# Altium PCB QCopterFC__Pcb.PcbDoc (part 1 of 2)
Units mil, origin at the board's own origin, x right, y up, seen from the top; angles counter-clockwise.
Board outline 2027.56 x 1377.95 mil, 4 copper layers (Top Layer, Mid Layer 1, Mid Layer 2, Bottom Layer), stack 24.2 mil thick; 59 components, 67 nets, 290 pads, 155 vias.
Unrouted connection lines stored in the file: 1.
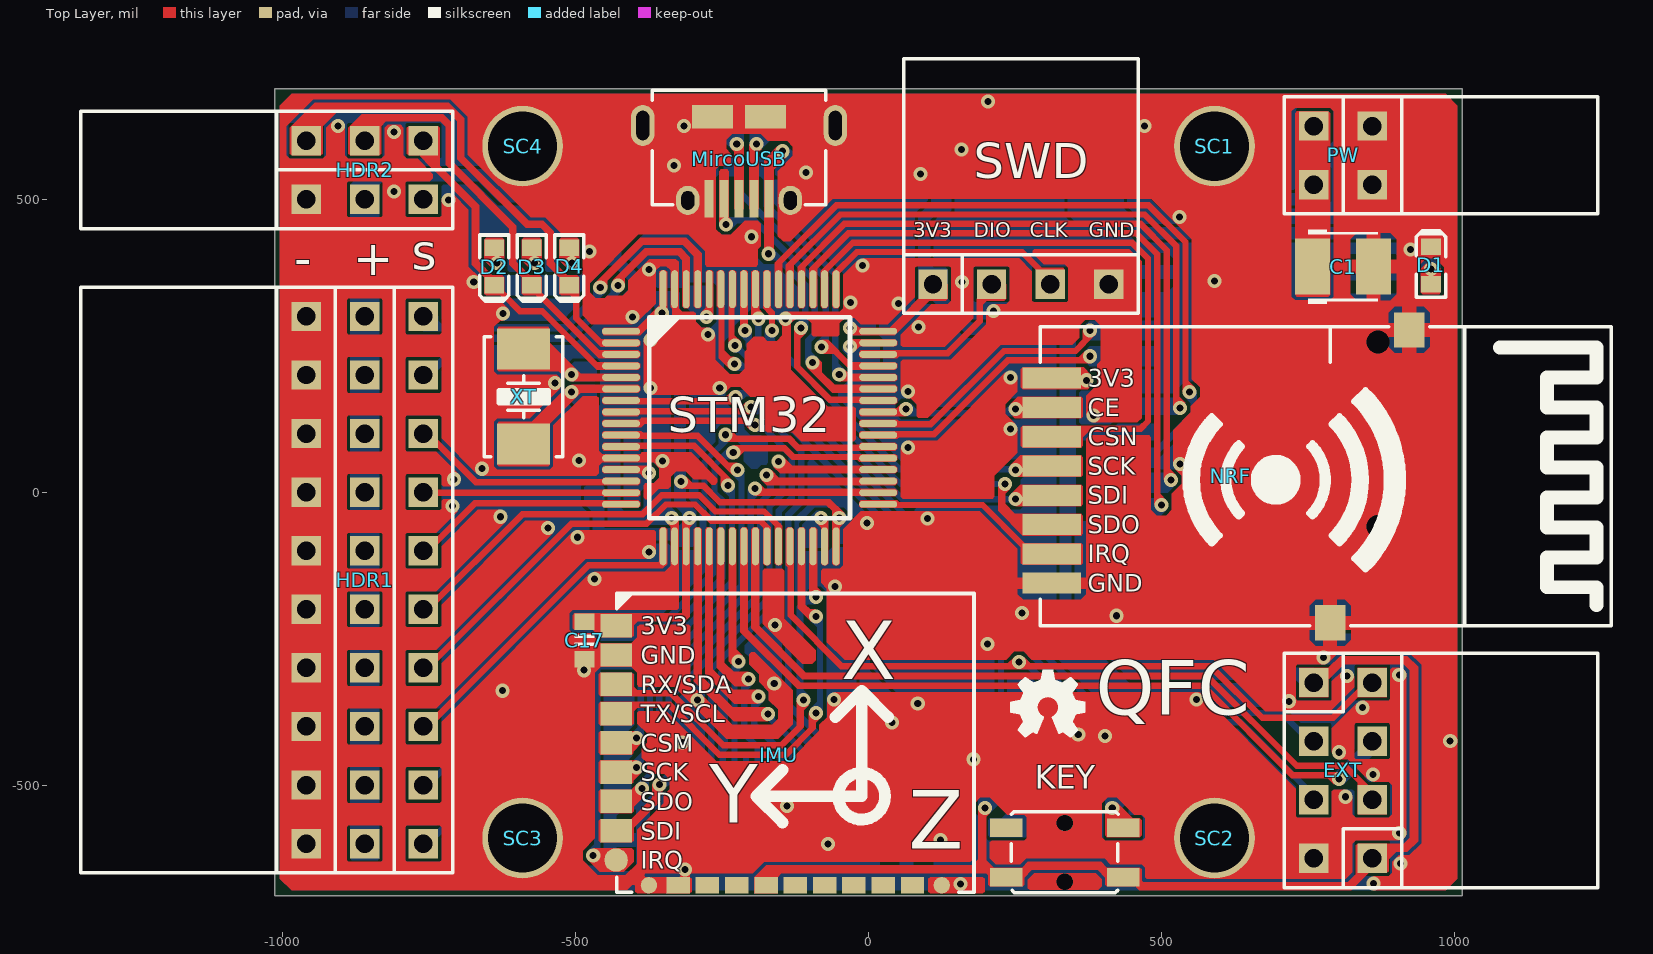
[diagram p0: Top Layer view]
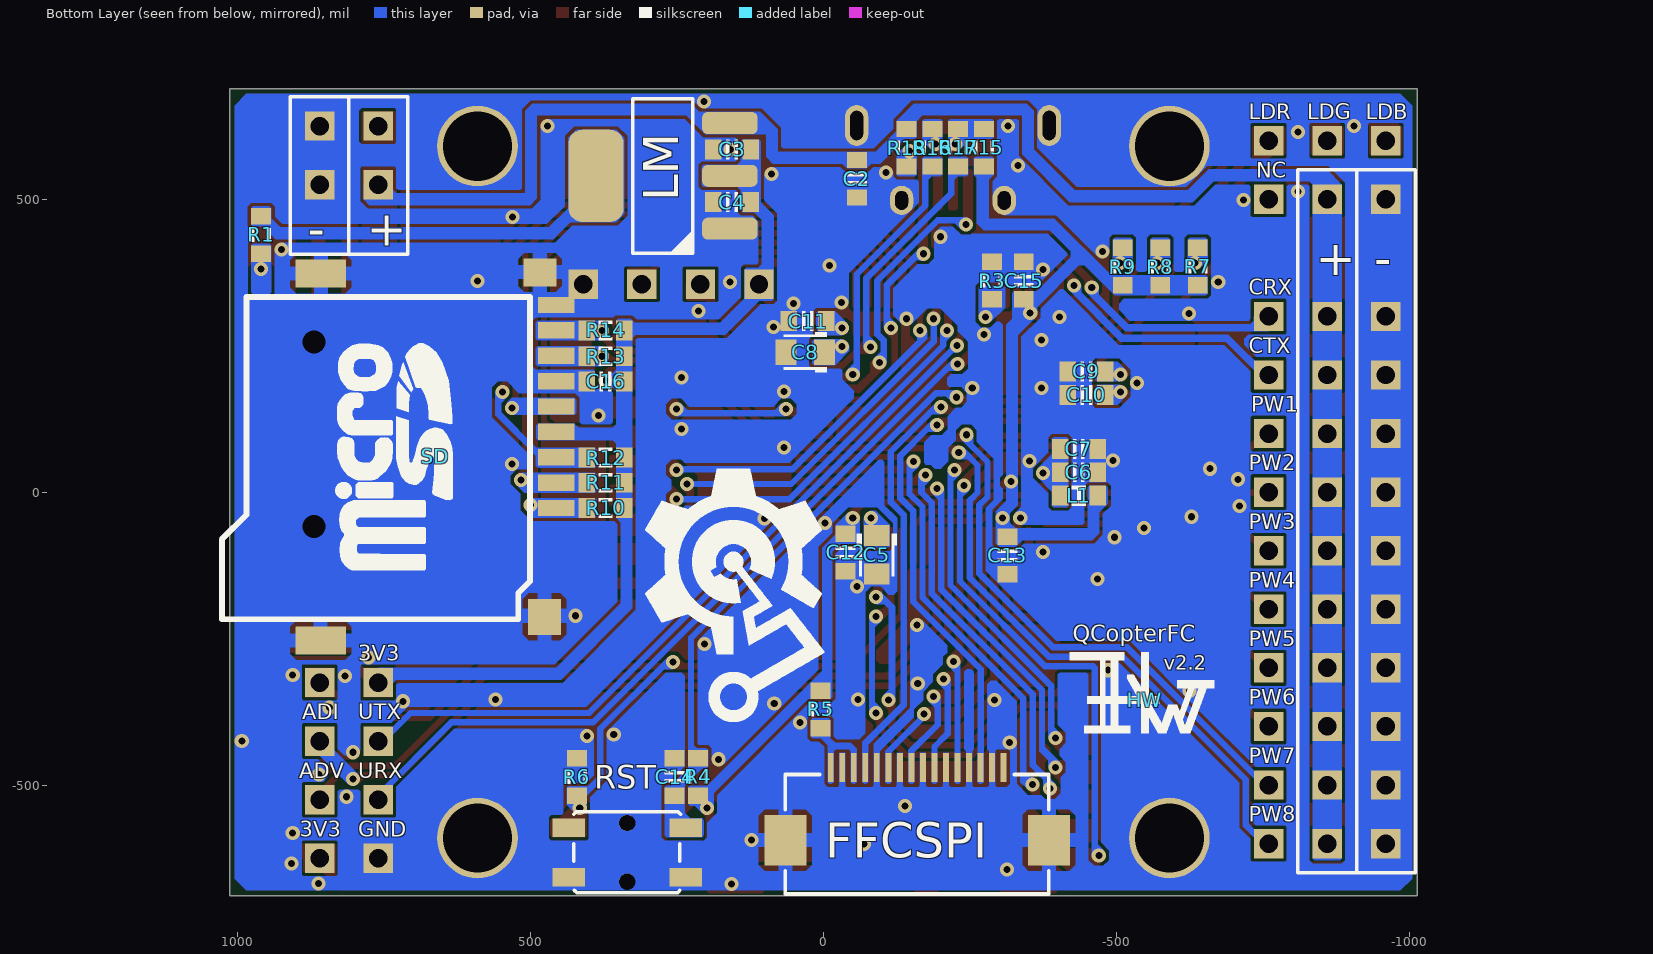
[diagram p1: Bottom Layer view, seen from below]

## Layer stack, top to bottom
Top Solder: solder mask 0.4, Solder Resist, Dk 3.5
Top Layer: signal copper 1.4
Dielectric1: prepreg 5, Dk 4.2
Mid Layer 1: signal copper 0.7
Dielectric 3: core 10, FR-4, Dk 4.2
Mid Layer 2: signal copper 0.7
Dielectric 2: prepreg 5, Dk 4.2
Bottom Layer: signal copper 1.4
Bottom Solder: solder mask 0.4, Solder Resist, Dk 3.5

## Board outline
-1013.78,688.98 1013.78,688.98 1013.78,-688.98 -1013.78,-688.98

## Design rules (kind name [scope] priority, off if disabled: settings)
Clearance Polygon [InPolygon] p1: gap=6
Clearance [All] p2: gap=6
ComponentClearance [All] p1: gap=0 collisioncheckmode=3 verticalgap=0 showdistances=FALSE
HoleSize [All] p1: absolutevalues=TRUE maxlimit=150 minlimit=1 maxpercent=80.000 minpercent=20.000
HoleToHoleClearance [All] p1: gap=0 allowstackedmicrovias=TRUE
MinimumSolderMaskSliver [All] p1: minsoldermaskwidth=0
PlaneConnect [All] p1: planeconnectstyle=Direct reliefexpansion=20 reliefentries=4 reliefconductorwidth=10 reliefairgap=10
PolygonConnect [All] p1: connectstyle=Direct reliefconductorwidth=10 reliefentries=4 polygonreliefangle="90 Angle" airgapwidth=10
RoutingVias [All] p1: holewidth=12 width=24 viastyle="Through Hole" minholewidth=12 minwidth=20 maxholewidth=28 maxwidth=100
SilkToSilkClearance [All] p1: silktosilkclearance=2
SilkToSolderMaskClearance SilkscreenOverComponentPads [IsPad] p1: minsilkscreentomaskgap=2 clearancetoexposedcopper=TRUE
SolderMaskExpansion [All] p1: expansion=0
UnConnectedPin [All] p1:
Width [All] p1: maxlimit=24 minlimit=6 preferedwidth=10
22 further rules are at their usual default settings.

## Classes and differential pairs
component class FFCSPI: FFCSPI R5
component class QCopterFC_MAIN_Sch: HW SC1 SC2 SC3 SC4
component class IMU: C17 IMU Sensor?
component class SWD: JTAG SWD
component class KEY: KEY R6
component class LED: D2 D3 D4 JP3 JP4 JP5 JP6 LED_1 LED_2 LED_B LED_G LED_R LED_W R7 R8 R9
component class NRF: NRF nRF24L01P RF?
component class POWER: C1 C2 C3 C4 D1 LED LM "Power 5V" PW R1
component class PWM: HDR1 HDR2 PWM_G PWM_S PWM_V S
component class STM32F405RG: C5 C6 C7 C8 C9 C10 C11 C12 C13 C14 C15 L1 R3 R4 RST STM32 XT
component class SD: C16 R10 R11 R12 R13 R14 SD
component class EXTERN: EXT
component class USB: 10 MircoUSB R15 R16 R17 R18

## Components (designator, comment, footprint, x,y, rotation, side; value= is the part's Value field where it differs from the comment)
C1 "Cap_Tan_1210" CAP_TAN_B1210 810,385 r0 top locked
C2 "Cap_0603" CAP_0603 -57,535 r90 bottom locked
C3 "Cap_0603" CAP_0603 156,585 r180 bottom locked
C4 "Cap_0603" CAP_0603 156,495 r180 bottom locked
C5 "Cap_Tan_0805" CAP_TAN_P0805 -91,-107 r270 bottom locked
C6 "Cap_0603" CAP_0603 -436,34 r0 bottom locked
C7 "Cap_0603" CAP_0603 -436,74 r0 bottom locked
C8 "Cap_Tan_0805" CAP_TAN_P0805 31,239 r0 bottom locked
C9 "Cap_0603" CAP_0603 -449,206 r180 bottom locked
C10 "Cap_0603" CAP_0603 -449,166 r180 bottom locked
C11 "Cap_0603" CAP_0603 27,292 r0 bottom locked
C12 "Cap_0603" CAP_0603 -38,-103 r270 bottom locked
C13 "Cap_0603" CAP_0603 -314,-108 r270 bottom locked
C14 "Cap_0603" CAP_0603 254,-486 r90 bottom locked
C15 "Cap_0603" CAP_0603 -342,361 r90 bottom locked
C16 "Cap_0603" CAP_0603 372,189 r180 bottom locked
C17 "Cap_0603" CAP_0603 -485,-253 r90 top locked
D1 "LED_0603" LED_0603_WHITE 960,387 r90 top locked
D2 "LED_0603" LED_0603_RED -639,385 r270 top locked
D3 "LED_0603" LED_0603_GREEN -575,385 r270 top locked
D4 "LED_0603" LED_0603_BLUE -511,385 r270 top locked
EXT "HDR2X4_90_2.54" HDR2X4_90_2.54 760,-325 r270 top locked
FFCSPI "FFC_0.5_16" FFC_0.5_16 -160,-534 r180 bottom locked
HDR1 "HDR3X10_90_2.54" HDR3X10_90_2.54 -760,-600 r90 top locked
HDR2 "HDR3X2_90_2.54" HDR3X2_90_2.54 -760,500 r90 top locked
HW "HW" Logo_HW_v2.0 -548.78,-354.98 r180 bottom
IMU "SmartIMU" SMART_IMU -465,-688 r0 top locked
KEY "BT_TACT_3.5*5_90" BT_TACT_3.5*3.55_90 335,-615 r180 top locked
L1 "Ind_0603" IND_0603 -436,-6 r0 bottom locked
LM "LM1117" SOT223 274,540 r90 bottom locked
MircoUSB "USB_Micro" USB_Micro-AB -221,626 r0 top locked
NRF "nRF24L01P_PA_LNA" NRF24L01P_PA_LNA 293,-228 r0 top locked
PW "HDR2X2_90_2.54" HDR2X2_90_2.54 760,625 r270 top locked
R1 "Res_0603" RES_0603 960,439 r90 bottom locked
R3 "Res_0603" RES_0603 -288,361 r270 bottom locked
R4 "Res_0603" RES_0603 214,-486 r270 bottom locked
R5 "Res_0603" RES_0603 5,-371 r270 bottom locked
R6 "Res_0603" RES_0603 421,-486 r270 bottom locked
R7 "Res_0603" RES_0603 -639,385 r90 bottom locked
R8 "Res_0603" RES_0603 -575,385 r90 bottom locked
R9 "Res_0603" RES_0603 -511,385 r90 bottom locked
R10 "Res_0603" RES_0603 372,-27 r180 bottom locked
R11 "Res_0603" RES_0603 372,16 r180 bottom locked
R12 "Res_0603" RES_0603 372,59 r180 bottom locked
R13 "Res_0603" RES_0603 372,232 r180 bottom locked
R14 "Res_0603" RES_0603 372,276 r180 bottom locked
R15 "Res_0603" RES_0603 -274,588 r270 bottom locked
R16 "Res_0603" RES_0603 -186,588 r90 bottom locked
R17 "Res_0603" RES_0603 -230,588 r90 bottom locked
R18 "Res_0603" RES_0603 -142,588 r90 bottom locked
RST "BT_TACT_3.5*5_90" BT_TACT_3.5*3.55_90 335,-615 r0 bottom locked
SC1 "M3" SCRREW_M3 590.55,590.55 r0 top locked
SC2 "M3" SCRREW_M3 590.55,-590.55 r0 top locked
SC3 "M3" SCRREW_M3 -590.55,-590.55 r0 top locked
SC4 "M3" SCRREW_M3 -590.55,590.55 r0 top locked
SD "SD_Card_TF" SD_Card_TF 456,-27 r90 bottom locked
STM32 "STM32F405R" STM32_QFP64 -203,127 r0 top locked
SWD "HDR1X4_90F_2.54" HDR1X4_90F_2.54 110,355 r0 top locked (schematic designator SW)
XT "XTAL_5032_2P" XTAL_5032 -589,163 r90 top locked

## Footprints (in the part's own frame and the unit in brackets; to place one, negate y for a bottom-side part, rotate by r counter-clockwise, add the part's x,y. Pads: shape width x height; smd on the part's side, far side on the other; paste and mask are expansions set on the pad)
BT_TACT_3.5*3.55_90 [mm]
  round 0.7 hole 0.7 mask+0: 0(0,-1.27) 0(0,1.27)
  rect 1.4x0.8 smd: 1(-2.54,1.069) 2(-2.54,-1.069) 3(2.54,1.069) 4(2.54,-1.069)
  silkscreen extent -2.31,-1.75 2.31,1.75, body extent -2.29,-1.39 2.31,2.16, height 1.42
CAP_0603 [mil]
  rect 28x34 smd: 1(-32,0) 2(32,0)
  Top Layer pour cut-out: -18,17 18,17 18,-17 -18,-17
  silkscreen extent -10,-17 10,17, body extent -31,-16 31,16, height 36
CAP_TAN_B1210 [mil]
  rect 60x96 smd: 1(-52,0) 2(52,0)
  Top Layer pour cut-out: -22,48 22,48 22,-48 -22,-48
  silkscreen extent -59,-63 59,63, body extent -69,-55 69,55, height 83
CAP_TAN_P0805 [mil]
  rect 36x44 smd: 1(-33,0) 2(33,0)
  Top Layer pour cut-out: -15,22 15,22 15,-22 -15,-22
  silkscreen extent -36,-34 36,34, body extent -40,-27 40,27, height 59
FFC_0.5_16 [mil] "Connector; FH12 Series; 16 Position; 0.5mm Spaced Bottom Contact"
  rect 72x86 smd mask+1: 0(-225,-60) 0(225,-60)
  rect 10x50 smd mask+1: 1(-147.64,64) 2(-127.95,64) 3(-108.27,64) 4(-88.58,64) 5(-68.9,64) 6(-49.21,64) 7(-29.53,64) 8(-9.84,64) 9(9.84,64) 10(29.53,64) 11(49.21,64) 12(68.9,64) 13(88.58,64) 14(108.27,64) 15(127.95,64) 16(147.64,64)
  silkscreen extent -225,-152 225,52, body extent -266,-155 266,55, height 82
HDR1X4_90F_2.54 [mm] "Connector; Header; 2 Position"
  rect 1.27x1.27 hole 0.8: 1(0,0) 2(2.54,0) 3(5.08,0) 4(7.62,0)
  silkscreen extent -1.27,-1.27 8.89,9.78, body extent -1.39,-0.16 9.02,9.9, height 2.52
HDR2X2_90_2.54 [mm] "Connector; Header; 2x2 Position"
  rect 1.27x1.27 hole 0.8: 1(0,0) 2(0,2.54) 3(2.54,0) 4(2.54,2.54)
  silkscreen extent -1.27,-1.27 3.81,12.32, body extent -1.27,-0.31 3.81,12.57, height 5.04
HDR2X4_90_2.54 [mm] "Connector; Header; 2x2 Position"
  rect 1.27x1.27 hole 0.8: 1(0,0) 2(0,2.54) 3(2.54,0) 4(2.54,2.54) 5(5.08,0) 6(5.08,2.54) 7(7.62,0) 8(7.62,2.54)
  silkscreen extent -1.27,-1.27 8.89,12.32, body extent -1.27,-0.31 8.89,12.57, height 5.04
HDR3X2_90_2.54 [mm] "Connector; Header; 2x2 Position"
  rect 1.27x1.27 hole 0.8: 1(0,0) 2(0,2.54) 3(0,5.08) 4(2.54,0) 5(2.54,2.54) 6(2.54,5.08)
  silkscreen extent -1.27,-1.27 3.81,14.86, body extent -1.27,2.23 3.81,15.11, height 5.04
HDR3X10_90_2.54 [mm] "Connector; Header; 2x2 Position"
  rect 1.27x1.27 hole 0.8: 1(0,0) 2(0,2.54) 3(0,5.08) 4(2.54,0) 5(2.54,2.54) 6(2.54,5.08) 7(5.08,0) 8(5.08,2.54) 9(5.08,5.08) 10(7.62,0) 11(7.62,2.54) 12(7.62,5.08) 13(10.16,0) 14(10.16,2.54) 15(10.16,5.08) 16(12.7,0) 17(12.7,2.54) 18(12.7,5.08) 19(15.24,0) 20(15.24,2.54) 21(15.24,5.08) 22(17.78,0) 23(17.78,2.54) 24(17.78,5.08) 25(20.32,0) 26(20.32,2.54) 27(20.32,5.08) 28(22.86,0) 29(22.86,2.54) 30(22.86,5.08)
  silkscreen extent -1.27,-1.27 24.13,14.86, body extent -1.27,2.22 24.13,15.11, height 5.04
IND_0603 [mil]
  rect 28x34 smd: 1(-32,0) 2(32,0)
  Top Layer pour cut-out: -18,17 18,17 18,-17 -18,-17
  silkscreen extent -12,-17 12,17, body extent -31,-16 31,16, height 37
LED_0603_BLUE [mil]
  rect 28x34 smd: 1(-32,0) 2(32,0)
  Top Layer pour cut-out: -18,17 18,17 18,-17 -18,-17
  silkscreen extent -54,-25 59,25, body extent -31,-16 32,16, height 30
LED_0603_GREEN [mil]
  rect 28x34 smd: 1(-32,0) 2(32,0)
  Top Layer pour cut-out: -18,17 18,17 18,-17 -18,-17
  silkscreen extent -54,-25 59,25, body extent -31,-16 32,16, height 30
LED_0603_RED [mil]
  rect 28x34 smd: 1(-32,0) 2(32,0)
  Top Layer pour cut-out: -18,17 18,17 18,-17 -18,-17
  silkscreen extent -54,-25 59,25, body extent -31,-16 32,16, height 30
LED_0603_WHITE [mil]
  rect 28x34 smd: 1(-32,0) 2(32,0)
  Top Layer pour cut-out: -18,17 18,17 18,-17 -18,-17
  silkscreen extent -54,-25 59,25, body extent -31,-16 32,16, height 30
Logo_HW_v2.0 [mil]
  silkscreen extent -129,-57 119,82
NRF24L01P_PA_LNA [mil]
  rect 100x36 smd mask+1: 1(20,422.6) 2(20,372.6) 3(20,322.6) 4(20,272.6) 5(20,222.6) 6(20,172.6) 7(20,122.6) 8(20,72.6)
  rect 52x60 smd mask+1: 8(495,5) 8(630,505)
  silkscreen extent 0,0 975,510, body extent 5,5 970,505, height 46
RES_0603 [mil]
  rect 28x34 smd: 1(-32,0) 2(32,0)
  Top Layer pour cut-out: -18,17 18,17 18,-17 -18,-17
  silkscreen extent -12,-17 12,17, body extent -31,-16 32,16, height 20
SCRREW_M3 [mm]
  round 3.5 hole 3 mask+0: 0(0,0)
SD_Card_TF [mil]
  rect 28x62 smd: 1(0,0) 2(43.31,0) 3(86.61,0) 4(129.92,0) 5(173.23,0) 6(216.54,0) 7(259.84,0) 8(303.15,0) 9(346.46,0)
  rect 48x86 smd: 6(-226,402) 6(400,402)
  rect 62x56 smd: 6(-186,20)
  round 30 hole 39.37 mask+0: 6(-31.5,413.39) 6(283.46,413.39)
  rect 48x56 smd: 6(402,28)
  silkscreen extent -190,45 360,571, body extent -235,-27 407,572, height 79
SMART_IMU [mil]
  rect 54x40 smd mask+1: 1(34,460) 2(34,410) 3(34,360) 4(34,310) 5(34,260) 6(34,210) 7(34,160) 8(34,110)
  rect 40x28 smd mask+1: 1(290,17) 2(140,17) 10(190,17) 11(240,17) 12(340,17) 13(390,17) 14(440,17) 15(490,17) 16(540,17)
  round 28 smd mask+0: 2(90,17) 2(590,17)
  round 40 smd mask+0: 9(34,60)
  Top Layer region: 610,3 610,17 596,31 570,31 570,3
  Top Layer region: 110,3 110,31 84,31 70,17 70,3
  Top Layer region: 7,40 47,40 61,54 61,80 7,80
  silkscreen extent 35,5 645,515, body extent 40,10 640,510, height 84
SOT223 [mm] "SOT223, 4-Leads, Body 6.7x7.3mm (max), Pitch 2.29mm, IPC Medium Density"
  rrect50% 0.95x2.4 smd: 1(-2.29,-2.9) 2(0,-2.9) 3(2.29,-2.9)
  rrect50% 4x2.4 smd: 4(0,2.9)
  silkscreen extent -3.35,-1.3 3.35,1.3, body extent -3.35,-3.65 3.35,3.65, height 1.8
STM32_QFP64 [mm] "TSQFP, 64-Leads, Body 12.0x12.0mm (max), Pitch 0.50mm, IPC Medium Density"
  oval 1.65x0.3 smd: 1(-5.575,3.75) 2(-5.575,3.25) 3(-5.575,2.75) 4(-5.575,2.25) 5(-5.575,1.75) 6(-5.575,1.25) 7(-5.575,0.75) 8(-5.575,0.25) 9(-5.575,-0.25) 10(-5.575,-0.75) 11(-5.575,-1.25) 12(-5.575,-1.75) 13(-5.575,-2.25) 14(-5.575,-2.75) 15(-5.575,-3.25) 16(-5.575,-3.75) 33(5.575,-3.75) 34(5.575,-3.25) 35(5.575,-2.75) 36(5.575,-2.25) 37(5.575,-1.75) 38(5.575,-1.25) 39(5.575,-0.75) 40(5.575,-0.25) 41(5.575,0.25) 42(5.575,0.75) 43(5.575,1.25) 44(5.575,1.75) 45(5.575,2.25) 46(5.575,2.75) 47(5.575,3.25) 48(5.575,3.75)
  oval 0.3x1.65 smd: 17(-3.75,-5.575) 18(-3.25,-5.575) 19(-2.75,-5.575) 20(-2.25,-5.575) 21(-1.75,-5.575) 22(-1.25,-5.575) 23(-0.75,-5.575) 24(-0.25,-5.575) 25(0.25,-5.575) 26(0.75,-5.575) 27(1.25,-5.575) 28(1.75,-5.575) 29(2.25,-5.575) 30(2.75,-5.575) 31(3.25,-5.575) 32(3.75,-5.575) 49(3.75,5.575) 50(3.25,5.575) 51(2.75,5.575) 52(2.25,5.575) 53(1.75,5.575) 54(1.25,5.575) 55(0.75,5.575) 56(0.25,5.575) 57(-0.25,5.575) 58(-0.75,5.575) 59(-1.25,5.575) 60(-1.75,5.575) 61(-2.25,5.575) 62(-2.75,5.575) 63(-3.25,5.575) 64(-3.75,5.575)
  silkscreen extent -4.35,-4.35 4.35,4.35, body extent -6.1,-6.1 6.1,6.1, height 1.59
USB_Micro-AB [mil]
  rect 15.75x64 smd: 1(51.18,-125) 2(25.59,-125) 3(0,-125) 4(-25.59,-125) 5(-51.18,-125)
  oval 40x70 hole 22 slot 50 at 90 deg mask+0: 5(-164.37,0) 5(164.37,0)
  oval 40x50 hole 22 slot 32 at 90 deg mask+0: 5(-87.6,-128) 5(87.6,-128)
  rect 70x40 smd mask+0: 5(-45,15) 5(45,15)
  Top Layer region: -164.37,35 -100,35 -100,-5 -130,-35 -164.37,-35
  Top Layer region: 100,35 164.37,35 164.37,-35 130,-35 100,-5
  silkscreen extent -148,-135 148,60, body extent -157,-138 157,75, height 107
XTAL_5032 [mil]
  rect 70x90 smd: 1(-81,0) 2(81,0)
  silkscreen extent -102,-67 102,67, body extent -98,-63 98,63, height 39

## Part data
C1 C2 C3 C4 C5 C6 C7 C8 C9 C10 C11 C12 C13 C14 C15 C16 C17: "Capacitor"
D1 D2 D3 D4: "LED"
EXT HDR1 HDR2 PW SWD: "Header"
FFCSPI: "FFC"
HW: "Logo"
IMU NRF: "Module"
KEY RST: "Switch"
L1: "Inductor"
LM: "Power"
MircoUSB: "USB"
R1 R3 R4 R5 R6 R7 R8 R9 R10 R11 R12 R13 R14 R15 R16 R17 R18: "Resistor"
SC1 SC2 SC3 SC4: library part Screw_M3, "Screw"
SD: "SD"
STM32: "MCU"
XT: "Crystal Oscillator"

## Via types
v1: diameter 24, hole 12, Top Layer to Bottom Layer, 155 vias

## Nets (pads, with @x,y where several pads share a name; then routed paths per layer and width w, separated by ;. In a path a pad name is that pad's centre, name@x,y a point inside that pad or via, vN(x,y) a via of type N, cw(c..) or ccw(c..) an arc to the next point about the centre after c; other vN are vias at no path point)
3V3: C3.2 C4.2 C11.1 C12.1 C13.1 C15.1 C16.2 C17.2 EXT.1 EXT.8 IMU.1 KEY.1 KEY.3 L1.1 LM.2 LM.4 NRF.1 R1.2 R4.2 R5.1 R7.1 R8.1 R9.1 R10.2 R11.2 R12.2 R13.2 R14.2 R15.2 SD.4 STM32.1 STM32.19 STM32.32 STM32.48 STM32.64 SWD.1 | length 6517.8
  Top Layer w10: C17.2@-485,-221 -437.98,-221 IMU.1@-431,-228 -416.02,-213 -316,-213 -311,-208 STM32.19@-311,-92 ; v1@-354,302 -350.64,305.36 STM32.64@-350.64,346.49 ; v1@-326,18 -319,11 -282,11 -254,-17 -67.47,-17 -50,-34.47 -50,-51 -55.36,-56.36 STM32.32@-55.36,-92.49 ; STM32.19@-311.27,-92.49 v1@-311.27,-48.27 ; IMU.1@-175,-671 -175,-645 -174,-644 181,-644 193.5,-631.5 ; v1@-24.64,274.64 STM32.48@16.49,274.64 44.64,274.64 SWD.1@110,340 ; KEY.1@413.09,-657.09 KEY.1@435,-657.09
  Top Layer w14: v1@194,-539 194,-632 219.09,-657.09 KEY.3@235,-657.09 256.91,-657.09 276,-638 394,-638 KEY.1@413.09,-657.09 ; KEY.1@435,-657.09 449.09,-657.09 465,-673 821,-673 860,-634 EXT.8@860,-625 878,-607 917,-607 931,-593 931,-301 917,-287 808,-287 770,-325 EXT.1@760,-325
  Bottom Layer w10: R9.1@-511,353 -494,353 -391,456 -292,456 -286,456 -272,470 R15.2@-272,554 ; -437,410 -437,408 -350,321 -350,316 -320,286 v1(-320,18) -320,-19 -313,-26 -313,-37 v1(-306,-44) ; C12.1@-37,-77.54 C12.1@-27.46,-77.54 ; C16.2@340,191 v1(372,191)
  Bottom Layer w14: C12.1@-27.46,-77.54 -6,-99 -6,-311 R4.2@206,-523 ; C3.2@124,585 124,499 92,467 92,373 SWD.1@110,355 110,345 179,276 R14.2@340,276 ; R14.2@337,276 337,-195 449,-307 742,-307 EXT.1@760,-325 ; 340,102.92 SD.4@456,102.92
  Bottom Layer w20: LM.4@389.17,517.83 465,442 931,442 R1.2@960,471 ; LM.4@389.17,532.83 LM.4@389.17,565
  Bottom Layer w24: R7.1@-639,353 R9.1@-511,353
  other v1: 199,-539 -50,-44 -32,280 -353,306
5V: C1.1 C2.2 HDR1.2 HDR1.5 HDR1.8 HDR1.11 HDR1.14 HDR1.17 HDR1.20 HDR1.23 HDR1.26 HDR1.29 HDR2.2 LM.3 PW.1 PW.3 R18.2 | length 3375.2
  Top Layer w20: C1.1@760,392.09 PW.3@760,525 PW.1@760,625
  Bottom Layer w10: HDR2.2@-860,500 -860,529 -847,542 -662,542 -625,505 -424,505 -349,580 -349,641 -337,653 -160,653 -142,635 R18.2@-142,620 ; LM.3@159.83,630.16 LM.3@163.83,634.16
  Bottom Layer w20: R18.2@-142,620 -93,571 82,571 88,577 88,615 103.16,630.16 LM.3@159.83,630.16 207.16,630.16 230,653 493,653 499,647 499,506 505,500 736,500 PW.3@760,524
  Bottom Layer w24: HDR1.2@-860,-600 HDR1.5@-860,-500 HDR1.8@-860,-400 HDR1.11@-860,-300 HDR1.14@-860,-200 HDR1.17@-860,-100 HDR1.20@-860,0 HDR1.23@-860,100 HDR1.26@-860,200 HDR1.29@-860,300 HDR2.2@-860,500 ; LM.3@159.83,634.16 LM.3@163.83,634.16 ; PW.3@760,524 PW.3@760,525 PW.3@760,535
ADC_I: EXT.4 STM32.24 | length 1353.3
  Top Layer w10: STM32.24@-214,-92 -214,-235 -118,-331 572,-331 724,-483 v1@803,-483
  Bottom Layer w10: v1(803,-490) 859,-434 859,-424 EXT.4@860,-423
ADC_V: EXT.6 STM32.25 | length 1321.1
  Top Layer w10: STM32.25@-195,-92 -195,-229 -110,-314 578,-314 731,-467 813,-467 860,-514 EXT.6@860,-525
BOOT0: R3.2 STM32.60 | length 45.4
  Top Layer w10: v1@-274,302 -271.9,304.1 STM32.60@-271.9,346.49
  other v1: -277,299
CAN_RX: HDR1.28 STM32.61 | length 612.9
  Top Layer w12: v1(-458,349) -458,357.5 -387.5,428 -314,428 -291.58,405.58 STM32.61@-291.58,346.49
  Bottom Layer w10: HDR1.28@-741,281 -518,281 v1@-454,345
  Bottom Layer w12: HDR1.28@-760,300 HDR1.28@-741,281
CAN_TX: HDR1.25 STM32.62 | length 600.4
  Top Layer w12: v1@-428.5,352.5 -428.5,361 -379.5,410 -323,410 -311.27,398.27 STM32.62@-311.27,346.49
  Bottom Layer w10: HDR1.25@-753,200 -690,263 -510,263 v1@-424,349
  Bottom Layer w12: HDR1.25@-760,200 HDR1.25@-753,200
  other v1: -428,353
FFC_CS: FFCSPI.6 STM32.20 | length 485.1
  Top Layer w10: STM32.20@-293,-92 -293,-317 -231,-379 v1(-172,-379)
  Bottom Layer w10: v1@-172,-382 -110.79,-443.21 FFCSPI.6@-110.79,-470
FFC_IO1: FFCSPI.4 STM32.8 | length 915.2
  Top Layer w10: STM32.8@-422.49,138 -208,138 v1(-201,145)
  Bottom Layer w10: v1(-201,145) -191,145 -115,69 -115,-16 ; -137,-363 -71.42,-428.58 FFCSPI.4@-71.42,-470 ; -137,-362 -137,-39 -115,-17
FFC_IO2: FFCSPI.14 STM32.9 | length 906.6
  Top Layer w10: STM32.9@-422.49,117.16 -390.84,117.16 -386,122 -201,122 v1(-194,115)
  Bottom Layer w10: FFCSPI.14@-268.27,-470 -268.27,-302.27 -153,-187 -153,-32 -131,-10 ; v1(-194,115) -184,115 -131,62 -131,-9.37
FFC_SCK: FFCSPI.8 STM32.21 | length 459.7
  Top Layer w10: STM32.21@-274,-92 -274,-305 -230,-349 v1(-188,-349)
  Bottom Layer w10: v1(-188,-349) -195,-356 -195,-397 -150.16,-441.84 FFCSPI.8@-150.16,-470
FFC_SDI: FFCSPI.12 STM32.23 | length 391.2
  Top Layer w10: STM32.23@-234,-92.49 -234,-287 -232,-289 v1(-222,-289)
  Bottom Layer w10: FFCSPI.12@-228.9,-470 -228.9,-295.9 v1(-222,-289)
FFC_SDO: FFCSPI.10 STM32.22 | length 424
  Top Layer w10: STM32.22@-254,-92 -254,-293 -228,-319 v1(-205,-319)
  Bottom Layer w10: v1(-205,-319) -212,-326 -212,-412 -189.53,-434.47 FFCSPI.10@-189.53,-470
GND: C1.2 C2.1 C3.1 C4.1 C5.2 C6.1 C7.1 C8.2 C9.1 C10.1 C11.2 C12.2 C13.2 C14.2 C15.2 C16.1 C17.1 D1.2 EXT.7 FFCSPI.0 FFCSPI.2 FFCSPI.5 FFCSPI.7 FFCSPI.9 FFCSPI.11 FFCSPI.13 FFCSPI.15 HDR1.3 HDR1.6 HDR1.9 HDR1.12 HDR1.15 HDR1.18 HDR1.21 HDR1.24 HDR1.27 HDR1.30 HDR2.3 IMU.2 KEY.0 LM.1 MircoUSB.5 NRF.8 PW.2 PW.4 R3.1 R6.1 RST.0 RST.1 RST.3 SC1.0 SC2.0 SC3.0 SC4.0 SD.6 SD.9 STM32.12 STM32.18 STM32.63 SWD.4 | length 23103.4
  Top Layer w6: IMU.2@-375,-671 IMU.2@-325,-671 ; RST.0@335,-665 383,-665 384.27,-665
  Top Layer w10: -590.55,-327.55 -548,-285 -452,-285 IMU.2@-443,-276 ; v1(-494,54) -489.9,58.1 STM32.12@-422.49,58.1 ; v1@-374,382 -363,393 -340,393 -330.95,383.95 STM32.63@-330.95,346.49 ; STM32.18@-330.95,-92.49 -330.95,-142.95 -361,-173 -500,-173 -590.55,-263.55 SC3.0@-590.55,-590.55 -508.13,-672.98 -419.48,-672.98 -388.5,-642 -311,-642 -270,-601 129,-601 135,-595 ; -330.95,279.95 -241,190 -189,190 -142,237 v1(-142,296) ; -330,279.46 STM32.63@-330,346 ; v1@-142,303 32,303 v1(51,322) ; v1@-137,296 v1@-136,297 ; v1(85,282) 140,282 159.83,301.83 v1(159.83,358.83)
  Top Layer w16: MircoUSB.5@-272.18,516 MircoUSB.5@-272.18,634.82
  Top Layer w20: v1(-57,-161) -51.4,-155.4 NRF.8@313,-155.4 410.4,-155.4 423,-168 v1(423,-211)
  Top Layer w24: HDR2.3@-960,500 HDR1.27@-960,200 HDR1.21@-960,0 HDR1.12@-960,-300 HDR1.3@-960,-600 -900,-660 -660,-660 SC3.0@-590.55,-590.55 ; SC4.0@-590.55,590.55 -555.1,626 MircoUSB.5@-385.37,626 ; IMU.2@-429,-280 -367,-280 v1(-292,-355) -238,-409 -159,-409 -141,-391 -141,-347 v1(-161,-327) ; MircoUSB.5@-308.6,508 -385.37,508 MircoUSB.5@-385.37,626 ; MircoUSB.5@-133.4,508 -87,508 -56.63,538.37 MircoUSB.5@-56.63,626 ; v1(423,-211) 435,-223 NRF.8@788,-223 ; SC1.0@585,585 v1(159,585) 118,626 MircoUSB.5@-56.63,626 ; SC1.0@590.55,590.55 v1(590.55,360.45) 694.54,256.46 SD.6@869.39,256.46 SD.6@869.39,-58.5 ; 693.5,-224.5 751,-282 v1(777,-282) 788,-271 NRF.8@788,-223 ; EXT.7@760,-625 803,-582 v1(906,-582) v1(906,-312) ; PW.2@860,625 PW.4@860,525 ; 923,385 NRF.8@923,277 ; MircoUSB.5@-385.37,626 -370.37,641 MircoUSB.5@-266,641 MircoUSB.5@-176,641 -71.63,641 MircoUSB.5@-56.63,626 ; NRF.8@788,-223 869.39,-223 SD.6@869.39,-58.5 ; NRF.8@788,-223 788,-139.88 SD.6@869.39,-58.5 ; PW.4@860,525 PW.4@862,523 ; PW.4@860,525 808,473 808,385 C1.2@862,385 ; C1.2@862,385 862,277 NRF.8@923,277 ; C1.2@862,385 917,385 917,468 PW.4@862,523 ; C1.2@862,385 PW.4@862,523 ; NRF.8@923,277 923,218 978,218 978,277 NRF.8@923,277
  Bottom Layer w6: v1@-161,-228 v1(-161,-327) -161,-359 -91.1,-428.9 FFCSPI.5@-91.1,-470 ; C5.2@-91,-140 -122,-109 -122,-47 -91,-16 -38,-16 84,-138 v1(84,-361) v1(179,-456) ; v1@152.91,-659.09 RST.0@328.09,-659.09 ; RST.0@343.91,-659.09 RST.3@436,-659.09 ; RST.3@435,-657.09 524.01,-657.09 SC2.0@590.55,-590.55
  Bottom Layer w10: v1@-374,382 -363,393 C15.2@-348,393 ; v1@-349,45 -349,-31 v1(-336,-44) ; C15.2@-342,393 R3.1@-288,393 ; C13.2@-314,-141 -282.06,-109.06 -282.06,-28.94 -296,-15 -296,245 -220,321 -167,321 v1(-142,296) ; -287.95,-594 FFCSPI.15@-287.95,-470 ; FFCSPI.15@-287.95,-470 -287.95,-426.05 ; -248.58,-594 FFCSPI.13@-248.58,-470 ; -209.21,-594 FFCSPI.11@-209.21,-470 ; -169.84,-594 FFCSPI.9@-169.84,-470 ; -130.47,-594 FFCSPI.7@-130.47,-470 ; -91.1,-594 FFCSPI.5@-91.1,-470 ; C5.2@-91,-140 C12.2@-42,-140 ; v1(-57,-161) -38,-142 C12.2@-38,-135 ; MircoUSB.5@-56.63,626 -7.63,675 508.11,675 SC1.0@590.55,592.56 ; -32.05,-594 FFCSPI.2@-32.05,-470 ; v1(51,322) 51,301 70,282 v1(85,282) ; C11.2@64,292.06 C8.2@64,239 107,196 v1(242,196) ; C14.2@255,-454 334.99,-533.99 RST.0@334.99,-565 ; RST.0@335,-665 RST.0@334.99,-565 ; R6.1@421,-454 557.55,-590.55 SC2.0@590.55,-590.55
  Bottom Layer w12: 230,585 276,631 435,631 462,604 462,503 494,471 781.46,471 835.46,525 PW.4@860,525 ; SC1.0@590.55,590.55 SC1.0@590.55,592.56
  Bottom Layer w14: SC3.0@-590.55,-590.55 -516.1,-665 -450,-665 -440,-655 -440,-594 -440,-534 -385,-534
  Bottom Layer w20: SD.6@456,189.54 513.54,189.54 590.55,266.55 v1(590.55,360.45)
  Bottom Layer w24: HDR1.3@-960,-600 HDR1.12@-960,-300 HDR1.21@-960,0 HDR1.27@-960,200 HDR2.3@-960,500 ; v1(-494,54) -468,54 C6.1@-468,34 ; C7.1@-468,74 -468,97 -417,148 C10.1@-417,166 C9.1@-417,206 ; -440,-594 FFCSPI.0@-385,-594 ; -385,-536 FFCSPI.0@-385,-594 ; -313,-664 65,-664 FFCSPI.0@65,-594 ; v1(-313,-644) -313,-665 -385,-665 FFCSPI.0@-385,-594 ; MircoUSB.5@-133.4,508 -62,508 C2.1@-57,503 ; v1(123,-594) 123,-526 65,-526 FFCSPI.0@65,-594 ; v1(159,585) 230,585 230,495 C4.1@188,495 188,449.84 LM.1@159.83,449.84 ; v1(159.83,358.83) LM.1@159.83,449.84 ; RST.1@235,-657.09 171.91,-594 FFCSPI.0@65,-594 ; SWD.4@410,355 430.56,375.56 575.44,375.56 v1(590.55,360.45) 603.1,373 SD.6@858,373 ; SWD.4@410,358 318.16,449.84 LM.1@159.83,449.84 ; SD.9@456,319.46 484,319.46 SD.6@484,375 484,413 ; SC2.0@623,-623 760,-623 808,-575 925,-575 953,-547 953,-253.54 858.64,-253.54 858.64,-69.24 SD.6@869.39,-58.5 732.5,-58.5 580,-211 v1(423,-211) 423,-132 476,-132 SD.6@476,-213 476,-273 768,-273 v1(777,-282) 777,-253 SD.6@858,-253 ; 858,413 SD.6@858,373 ; FFCSPI.0@-385,-594 -287.95,-594 -248.58,-594 -130.47,-594 -91.1,-594 -32.05,-594 FFCSPI.0@65,-594 ; SD.6@858,373 923.81,373 923.81,310.89 SD.6@869.39,256.46 858,267.85 SD.6@858,373
  other v1: 157,-669 862,-668 908,-634 -69,-601 -139,-536 814,-520 861,-482 803,-444 -318,-427 993,-425 404,-416 358,-414 40,-393 843,-368 718,-357 -59,-354 560,-354 -625,-339 817,-314 -486,-304 203,-259 -160,-227 262,-206 -468,-148 -375,-102 -497,-77 -547,-61 -3,-53 101,-45 -628,-42 -710,-24 -708,22 -660,40 532,48 -352,53 67,76 242,108 384,131 67,172 -372,178 -254,178 -535,186 -372,260 -274,269 -403,299 -624,305 213,309 -31,324 -674,359 -375,380 -10,387 -476,411 925,414 -200,436 531,470 -717,499 -810,513 89,543 -107,546 -332,558 -810,615 -906,625 -315,625 471,625 204,667
IMU_CSM: IMU.5 STM32.10 | length 687.9
  Top Layer w10: IMU.5@-431,-428 -404,-428 v1(-396,-420) ; STM32.10@-422,96 -292,96 -234,38 v1(-224,38)
  Bottom Layer w10: -378,-320 -217,-159 -217,31 v1(-224,38)
IMU_IRQ: IMU.9 STM32.11
  other v1: -470,-620 -240,11
IMU_RX: IMU.3 STM32.30 | length 696.5
  Top Layer w10: IMU.3@-431,-328 -416,-343 -337,-343 -248,-432 -148.8,-432 -117.78,-400.98 -117.78,-361.98 v1(-110.78,-354.98) ; STM32.30@-96,-92 -96,-169 v1@-89,-176
  Bottom Layer w10: v1@-117.78,-355.98 -117.78,-196.98 v1@-94.78,-173.98
  other v1: -89.78,-178.98
IMU_SCK: IMU.6 STM32.34 | length 715.5
  Top Layer w10: IMU.6@-431,-478 -404,-478 v1(-396,-470) ; v1(-194,6) -187,-1 STM32.34@16,-1
  Bottom Layer w10: -373,-387 -373,-338 -201,-166 v1@-201,6
IMU_SDI: IMU.8 STM32.36 | length 118.4
  Top Layer w10: IMU.8@-431,-578 -416,-578 -364,-526 -364,-506 v1(-357,-499)
  other v1: -154,52
IMU_SDO: IMU.7 STM32.35 | length 22
  Top Layer w10: IMU.7@-431,-528 IMU.7@-409,-528
  other v1: -387,-506 -174,29
IMU_TX: IMU.4 STM32.29 | length 713.1
  Top Layer w10: IMU.4@-431,-378 -415.98,-362.98 -340.02,-362.98 -255,-448 -140.8,-448 -96.78,-403.98 -96.78,-383.98 v1(-89.78,-376.98) ; STM32.29@-115,-92 -115,-195.76 v1@-94.78,-215.98
  Bottom Layer w10: v1@-82.78,-376.98 v1@-82.78,-219.98
  other v1: -89.78,-211.98
KEY: EXT.2 KEY.2 R6.2 STM32.28 | length 1518.4
  Top Layer w10: STM32.28@-133,-92 -133,-210 -46,-297 584,-297 672,-385 793,-385 853,-325 EXT.2@860,-325
  Bottom Layer w6: R6.2@425,-508.46 R6.2@428.46,-508.46
  Bottom Layer w10: v1(257,-290) 267,-290 381,-404 381,-488 411,-518 R6.2@420,-518
  other v1: 416,-539
LED_B: D4.2 HDR2.6 STM32.2 | length 838.5
  Top Layer w10: D4.2@-499,347.49 -499,297 -458,256
  Top Layer w12: HDR2.6@-960,600 -960,627 -928,659 -719.51,659 -696,635.49 -696,570.49 -582.51,457 -557.49,457 -543,442.51 -543,390.49 D4.2@-500,347.49 ; STM32.2@-454.7,254.95 STM32.2@-422.49,254.95
LED_G: D3.2 HDR2.5 STM32.3 | length 713.1
  Top Layer w10: D3.2@-575,350 -460.27,235.27 STM32.3@-422.49,235.27
  Top Layer w12: HDR2.5@-860,600 -860,627 -848,639 -728.51,639 -716,626.49 -716,561.51 -607,452.51 -607,390.49 -575,358.48 D3.2@-575,353
LED_R: D2.2 HDR2.4 STM32.4 | length 570.6
  Top Layer w10: D2.2@-639,353 -595,309 -557,309 -463.58,215.58 STM32.4@-422.49,215.58
  Top Layer w12: HDR2.4@-760,600 -760,576.51 -671,487.51 -671,390.49 -639,358.48 D2.2@-639,353
NetD1_1: D1.1 R1.1 | length 14.8
  Top Layer w10: D1.1@949.54,364 D1.1@960,353.54
  other v1: 960,381
NetD2_1: D2.1 R7.2
  other v1: -634,391
NetD3_1: D3.1 R8.2
  other v1: -570,391
NetD4_1: D4.1 R9.2
  other v1: -506,391
NetFFCSPI_1: FFCSPI.1 FFCSPI.3 R5.2 | length 103.5
  Bottom Layer w10: FFCSPI.3@-51.73,-470 -51.73,-440.73 -45,-434 -19,-434 -12.36,-440.64 FFCSPI.1@-12.36,-470
NetFFCSPI_16: FFCSPI.16
NetMircoUSB_2: MircoUSB.2 R16.2 | length 78.8
  Top Layer w16: MircoUSB.2@-195.41,516 v1@-195.41,588.59 ; v1@-195.41,589.59 v1@-191,594
  other v1: -191.5,594
NetMircoUSB_3: MircoUSB.3 R15.1 R17.2 | length 78.7
  Top Layer w16: v1(-225,594) v1@-221,590 ; MircoUSB.3@-221,516 v1@-221,589
NRF_CE: NRF.2 STM32.41 | length 301.8
  Top Layer w10: STM32.41@16.49,136.84 58.84,136.84 v1(64,142) ; v1(251,142) NRF.2@310.4,142
  Bottom Layer w10: v1(64,142) 71,135 244,135 v1(251,142)
NRF_CSN: NRF.3 STM32.50 | length 1067.1
  Top Layer w10: STM32.50@-75.05,346.49 -75.05,377.95 -27,426 450,426 477,399 477,121 464,108 NRF.3@325.4,108 ; NRF.3@313,94.6 NRF.3@325.4,107
NRF_IRQ: NRF.7 STM32.33 | length 330.6
  Top Layer w10: STM32.33@16,-22 195,-22 NRF.7@276.4,-103.4 ; NRF.7@276.4,-107.4 NRF.7@312.84,-107.4
NRF_SCK: NRF.4 STM32.55 | length 661.3
  Top Layer w10: STM32.55@-173.47,346.49 -173.47,314.47 -165,306 v1(-165,276) ; v1@251,41 NRF.4@313,41
  Bottom Layer w10: v1(-165,276) -165,257 53,39 v1@251,39
  other v1: 251,38
NRF_SDI: NRF.5 STM32.57 | length 723.1
  Top Layer w10: v1@-212.84,277.84 STM32.57@-212.84,346.49 ; v1@251,-10 NRF.5@313,-10
  Bottom Layer w10: v1(-211,276) -204,269 -204,250 58,-12 v1(251,-12)
NRF_SDO: NRF.6 STM32.56 | length 748.6
  Top Layer w10: STM32.56@-195,349 -195,303 v1@-191,299 ; v1@226,14 226,-20 249,-43 298.44,-43 NRF.6@312.84,-57.4
  Bottom Layer w10: v1(-188,296) -188,257 55,14 v1(233,14)
OSC1: C9.2 STM32.5 XT.2 | length 192.9
  Top Layer w12: XT.2@-595,245 -551,245 -501.9,195.9 STM32.5@-422.49,195.9
  other v1: -507,201
OSC2: C10.2 STM32.6 XT.1 | length 224.1
  Top Layer w12: XT.1@-598,71.26 -598,80 -501.79,176.21 STM32.6@-422.49,176.21
  other v1: -507,171
PWM1: HDR1.22 STM32.14 | length 372.4
  Top Layer w10: HDR1.22@-760,100 -753,100 -670,17 STM32.14@-422,17
PWM2: HDR1.19 STM32.15 | length 317
  Top Layer w10: HDR1.19@-739,-1 STM32.15@-422,-1
PWM3: HDR1.16 STM32.16 | length 371.6
  Top Layer w10: HDR1.16@-760,-100 -753,-100 -672,-19 STM32.16@-422,-19
PWM4: HDR1.13 STM32.27 | length 743.9
  Top Layer w10: HDR1.13@-760,-200 -753,-200 -591,-38 -386,-38 -353,-5 -289,-5 -261,-33 -178,-33 -153.79,-57.21 STM32.27@-153.79,-92.49
PWM5: HDR1.10 STM32.26 | length 750.4
  Top Layer w10: HDR1.10@-760,-300 -753,-300 -507,-54 -379,-54 -346,-21 -296,-21 -268,-49 -185,-49 -173.47,-60.53 STM32.26@-173.47,-92.49
PWM6: HDR1.7 STM32.17 | length 551.8
  Top Layer w10: HDR1.7@-756.5,-403.5 -478,-125 -354,-125 -350.64,-121.64 STM32.17@-350.64,-92.49
PWM7: HDR1.4 STM32.38 | length 1167.5
  Top Layer w10: v1@-244,91 -135,91 -120,76 STM32.38@16,76
  Bottom Layer w10: HDR1.4@-760,-500 -753,-500 -518,-265 -392,-265 -266,-139 -266,-22 -280,-8 -280,52 -244,88 v1(-244,98)
PWM8: HDR1.1 STM32.37 | length 1233
  Top Layer w10: v1@-231,75 -143.5,75 -128.5,60 STM32.37@18,60
  Bottom Layer w10: HDR1.1@-760,-600 -753,-600 -721,-568 -721,-491 -511,-281 -385,-281 -250,-146 -250,-14.83 ; -250.06,-13.94 -263,-1 -263,46 v1@-236,73
  other v1: -231,68